# Altium PCB Main_Board.PcbDoc (part 7 of 19)
Units mil, origin at the board's own origin, x right, y up, seen from the top; angles counter-clockwise.
Board outline 5306 x 6610 mil, 12 copper layers ((L1) Top, (L2) Inner 1, (L3) Inner 2, (L4) Inner 3, (L5) Inner 4, (L6) Inner 5, (L7) Inner 6, (L8) Inner 7, (L9) Inner 8, (L10) Inner 9, (L11) Inner 10, (L12) Bottom), stack 94.81 mil thick; 347 components, 571 nets, 2611 pads, 4053 vias.
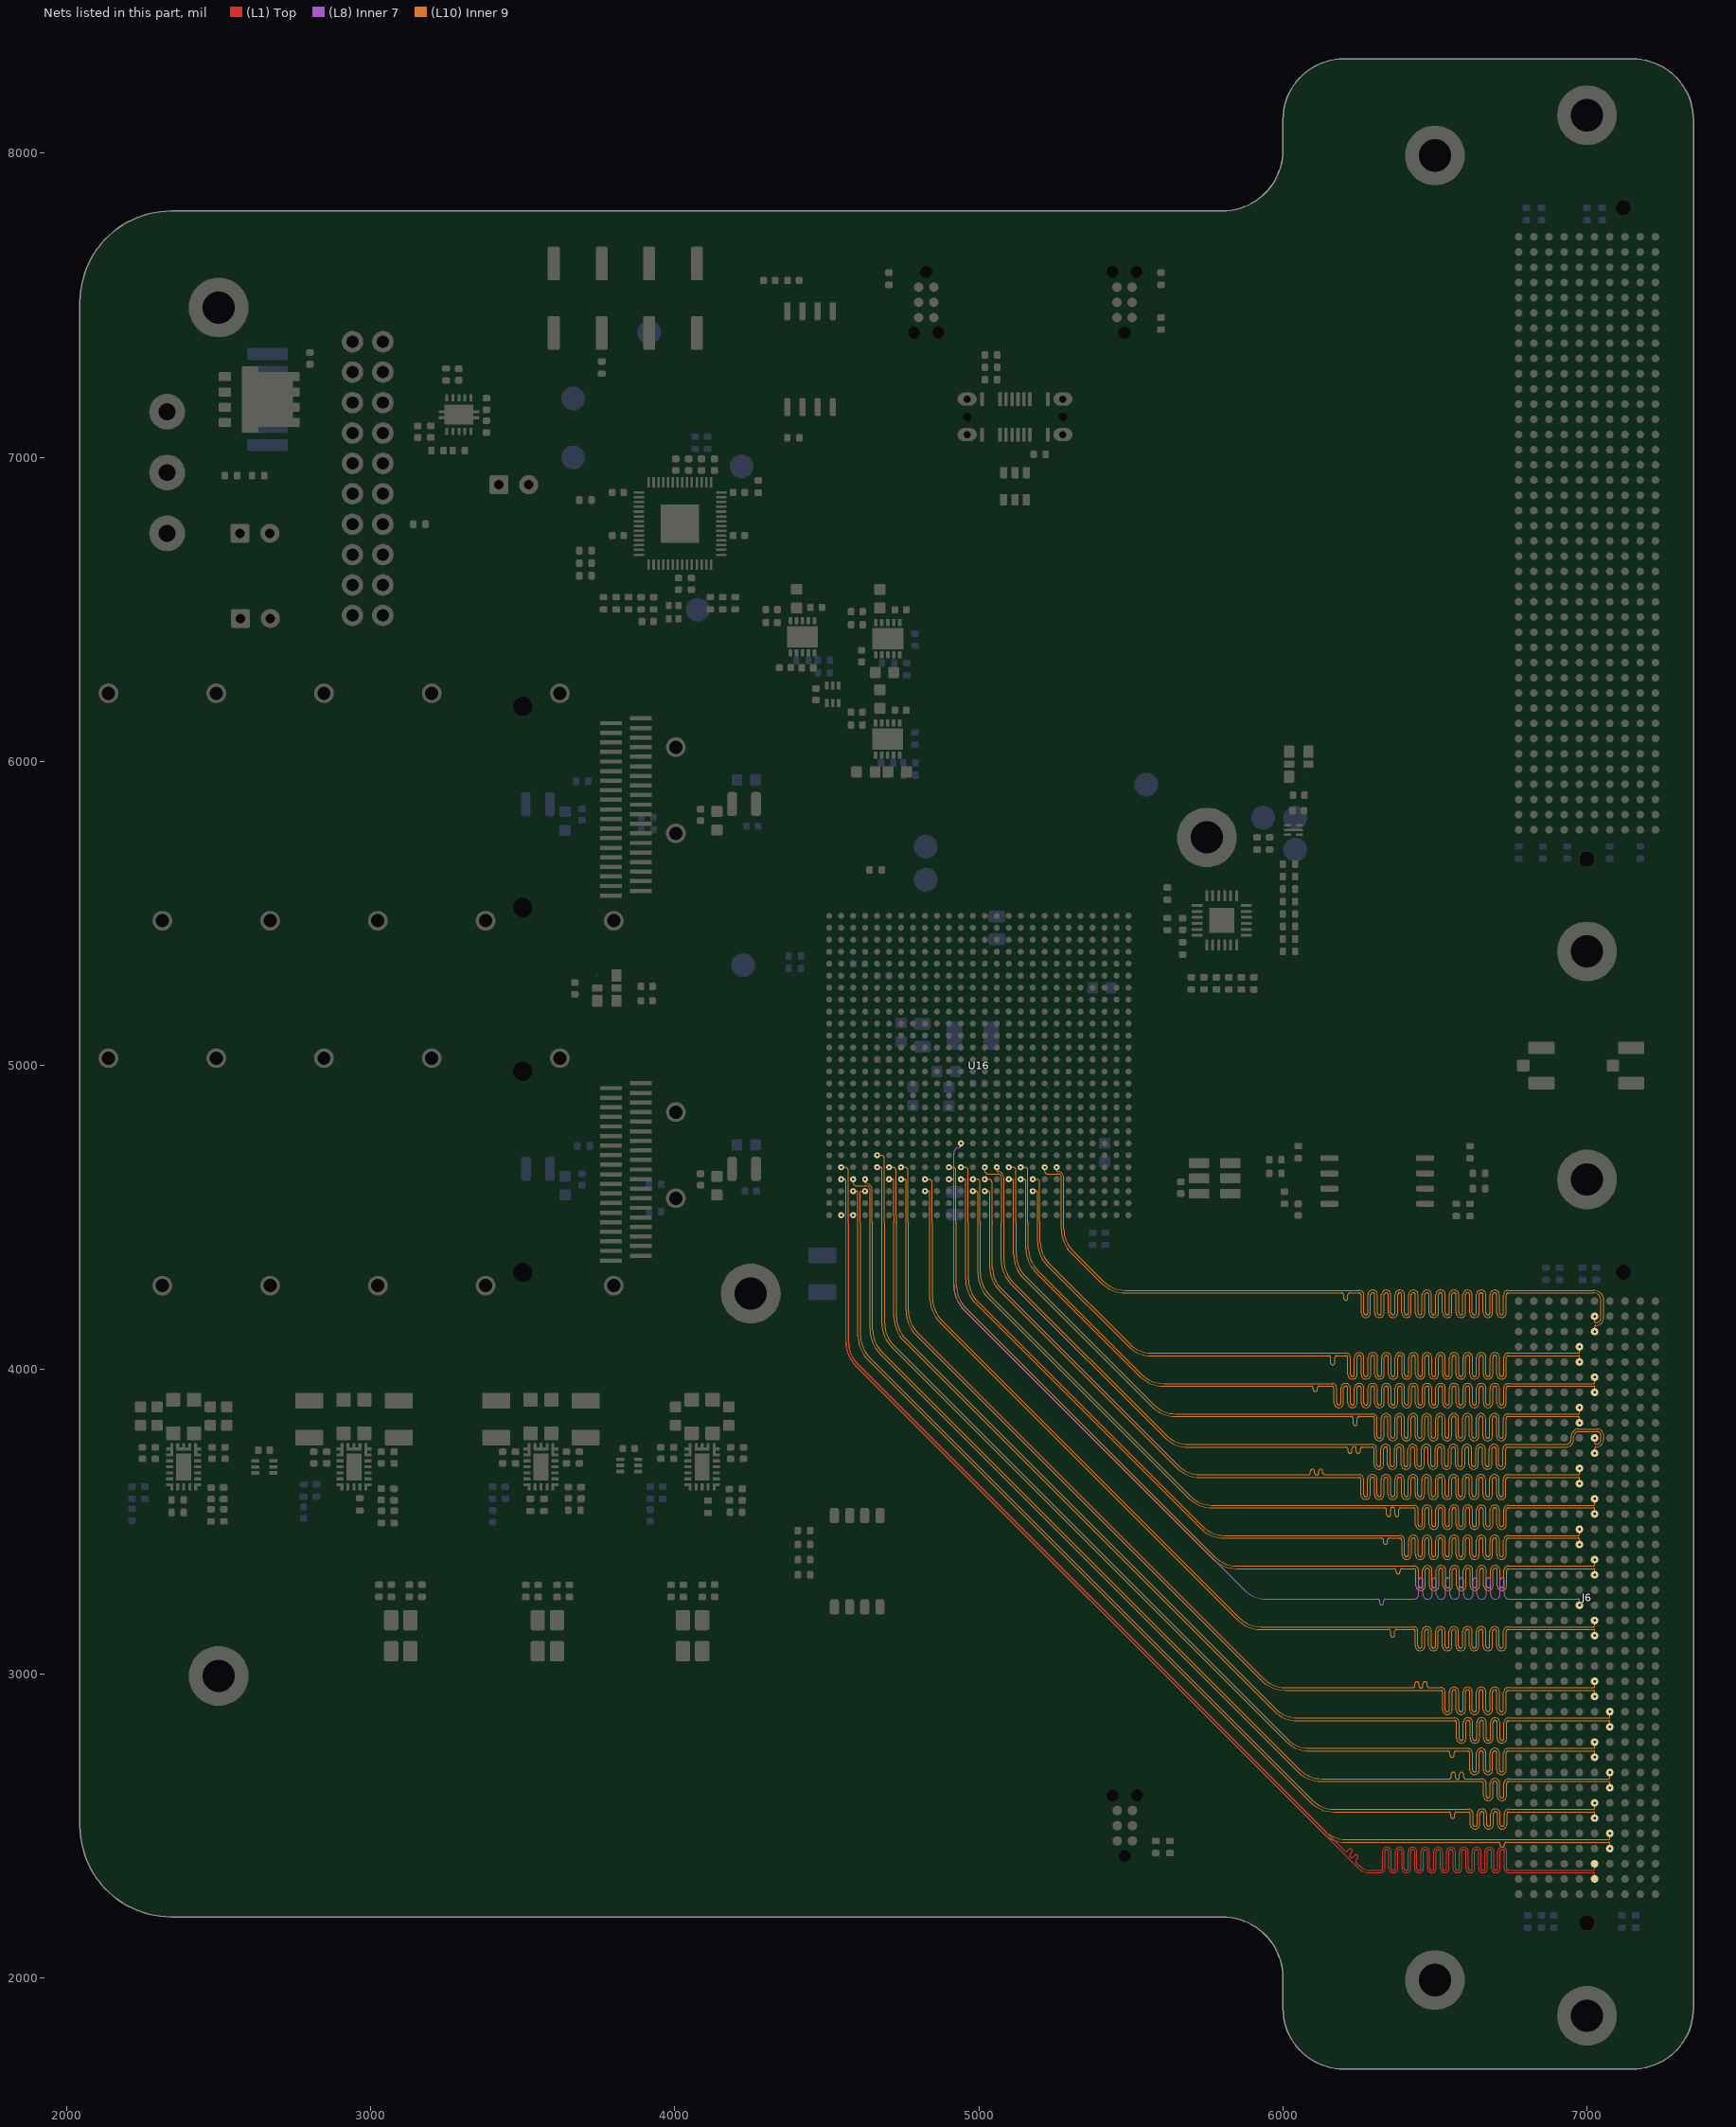
[diagram p17: the nets of this part, all layers, seen from the top]

## Via types
v1: diameter 13.78, hole 7.87, (L1) Top to (L12) Bottom, tented both sides, 4044 vias
v2: diameter 13.78, hole 7.87, (L1) Top to (L12) Bottom, tented bottom, 9 vias

## Nets (pads, with @x,y where several pads share a name; then routed paths per layer and width w, separated by ;. In a path a pad name is that pad's centre, name@x,y a point inside that pad or via, vN(x,y) a via of type N, cw(c..) or ccw(c..) an arc to the next point about the centre after c; other vN are vias at no path point) (continued)
HPCC_A_22_N: J6.D29 U16.AC6 | length 3925.8
  (L10) Inner 9 w3.5: v1(4704.72,4625.98) 4715.55,4625.98 cw(c4715.55,4620.47) 4721.06,4620.47 4721.06,4507.76 4721.06,4485.21 4721.06,4485.15 4721.06,4171.56 ccw(c4829.86,4171.56) 4752.92,4094.63 5970.09,2877.47 ccw(c6047.02,2954.4) 6047.02,2845.6 6545,2845.6 6564.12,2845.6 cw(c6564.12,2838.85) 6570.87,2838.85 6570.87,2787.37 ccw(c6586.42,2787.37) 6601.97,2787.37 6601.97,2839.58 cw(c6608.72,2839.58) 6615.47,2839.58 6615.47,2787.37 ccw(c6631.02,2787.37) 6646.57,2787.37 6646.57,2839.58 cw(c6653.32,2839.58) 6660.07,2839.58 6660.07,2787.37 ccw(c6675.62,2787.37) 6691.17,2787.37 6691.17,2839.58 cw(c6697.92,2839.58) 6704.67,2839.58 6704.67,2787.37 ccw(c6720.22,2787.37) 6735.77,2787.37 6735.77,2838.85 cw(c6742.52,2838.85) 6742.52,2845.6 6748.67,2845.6 7071.5,2845.6 cw(c7071.5,2842.1) 7073.97,2844.57 cw(c7071.5,2842.1) 7075,2842.1 v1(7075,2825)
HPCC_A_22_P: J6.D28 U16.AB6 | length 3956.3
  (L10) Inner 9 w3.5: v1(4704.72,4665.35) 4716.41,4665.35 cw(c4716.41,4653.36) 4728.41,4653.36 4728.41,4507.8 4728.41,4485.21 4728.41,4483.98 ccw(c4730.88,4483.98) 4729.13,4482.23 cw(c4727.38,4480.48) 4729.86,4480.48 4729.86,4171.56 ccw(c4829.86,4171.56) 4759.15,4100.85 5976.31,2883.69 ccw(c6047.02,2954.4) 6047.02,2854.4 6545,2854.4 6564.12,2854.4 cw(c6564.12,2838.85) 6579.67,2838.85 6579.67,2787.37 ccw(c6586.42,2787.37) 6593.17,2787.37 6593.17,2839.58 cw(c6608.72,2839.58) 6624.27,2839.58 6624.27,2787.37 ccw(c6631.02,2787.37) 6637.77,2787.37 6637.77,2839.58 cw(c6653.32,2839.58) 6668.87,2839.58 6668.87,2787.37 ccw(c6675.62,2787.37) 6682.37,2787.37 6682.37,2839.58 cw(c6697.92,2839.58) 6713.47,2839.58 6713.47,2787.37 ccw(c6720.22,2787.37) 6726.97,2787.37 6726.97,2838.85 cw(c6742.52,2838.85) 6742.52,2854.4 6748.67,2854.4 7071.5,2854.4 ccw(c7071.5,2857.9) 7073.97,2855.43 ccw(c7071.5,2857.9) 7075,2857.9 v1(7075,2875)
HPCC_A_23_N: J6.D33 U16.AC3 | length 3837.9
  (L10) Inner 9 w3.5: v1(4586.61,4625.98) 4586.61,4614.15 ccw(c4596.12,4614.15) 4596.12,4604.65 4628,4604.65 cw(c4628,4590.65) 4642,4590.65 4642,4130.62 ccw(c4750.8,4130.62) 4673.87,4053.69 6050.09,2677.47 ccw(c6127.02,2754.4) 6127.02,2645.6 6624.55,2645.6 6653,2645.6 cw(c6653,2638.85) 6659.75,2638.85 6659.75,2598.66 ccw(c6675.3,2598.66) 6690.85,2598.66 6690.85,2639.49 cw(c6697.6,2639.49) 6704.35,2639.49 6704.35,2598.66 ccw(c6719.9,2598.66) 6735.45,2598.66 6735.45,2638.85 cw(c6742.2,2638.85) 6742.2,2645.6 6784,2645.6 7071.5,2645.6 cw(c7071.5,2642.1) 7073.97,2644.57 cw(c7071.5,2642.1) 7075,2642.1 v1(7075,2625)
HPCC_A_23_P: J6.D32 U16.AC4 | length 3857.8
  (L10) Inner 9 w3.5: v1(4625.98,4625.98) 4625.98,4616.31 ccw(c4629.48,4616.32) 4629.13,4612.84 cw(c4627.06,4590.65) 4649.35,4590.65 4649.35,4483.77 ccw(c4651.83,4483.77) 4650.07,4482.02 ; 4650.08,4482.02 cw(c4648.32,4480.27) 4650.8,4480.27 4650.8,4130.62 ccw(c4750.8,4130.62) 4680.09,4059.91 6056.31,2683.69 ccw(c6127.02,2754.4) 6127.02,2654.4 6534.85,2654.4 6546.75,2654.4 ccw(c6546.75,2661.15) 6553.5,2661.15 6553.5,2669.27 cw(c6560.25,2669.27) 6567,2669.27 6567,2659.7 ccw(c6573.75,2659.7) 6580.5,2659.7 6580.5,2669.27 cw(c6587.25,2669.27) 6594,2669.27 6594,2661.15 ccw(c6600.75,2661.15) 6600.75,2654.4 6616,2654.4 6624.55,2654.4 6653,2654.4 cw(c6653,2638.85) 6668.55,2638.85 6668.55,2598.66 ccw(c6675.3,2598.66) 6682.05,2598.66 6682.05,2639.49 cw(c6697.6,2639.49) 6713.15,2639.49 6713.15,2598.66 ccw(c6719.9,2598.66) 6726.65,2598.66 6726.65,2638.85 cw(c6742.2,2638.85) 6742.2,2654.4 6784,2654.4 7071.5,2654.4 ccw(c7071.5,2657.9) 7073.97,2655.43 ccw(c7071.5,2657.9) 7075,2657.9 v1(7075,2675)
HPCC_A_24_N: J6.D37 U16.AC2 | length 3799.3
  (L10) Inner 9 w3.5: v1(4547.24,4625.98) 4556.9,4625.98 cw(c4556.9,4619.88) 4563,4619.88 4563,4089.62 ccw(c4671.8,4089.62) 4594.87,4012.69 6130.09,2477.47 ccw(c6207.02,2554.4) 6207.02,2445.6 6692.73,2445.6 6707.98,2445.6 cw(c6707.98,2438.85) 6714.73,2438.85 6714.73,2436.21 ccw(c6721.48,2436.21) 6728.23,2436.21 6728.23,2438.85 cw(c6734.98,2438.85) 6734.98,2445.6 6744.73,2445.6 7071.5,2445.6 cw(c7071.5,2442.1) 7073.97,2444.57 cw(c7071.5,2442.1) 7075,2442.1 v1(7075,2425)
HPCC_A_24_P: J6.D36 U16.AB2 | length 3810.3
  (L10) Inner 9 w3.5: v1(4547.24,4665.35) 4560.65,4665.35 cw(c4560.65,4655.65) 4570.35,4655.65 4570.35,4483.77 ccw(c4572.83,4483.77) 4571.07,4482.02 ; 4571.08,4482.02 cw(c4569.32,4480.27) 4571.8,4480.27 4571.8,4089.62 ccw(c4671.8,4089.62) 4601.09,4018.91 6136.31,2483.69 ccw(c6207.02,2554.4) 6207.02,2454.4 6670.22,2454.4 6805,2454.4 7071.5,2454.4 ccw(c7071.5,2457.9) 7073.97,2455.43 ccw(c7071.5,2457.9) 7075,2457.9 v1(7075,2475)
HPCC_A_25_N: J6.E3 U16.AB20 | length 3810.4
  (L10) Inner 9 w3.5: v1(5255.91,4665.35) 5255.91,4654.09 ccw(c5259,4654.09) 5259,4651 cw(c5259,4630.65) 5279.35,4630.65 5279.35,4462.07 ccw(c5379.35,4462.07) 5308.64,4391.36 5409.7,4290.3 ccw(c5480.41,4361.01) 5480.41,4261.01 6222.09,4261.01 6250.54,4261.01 cw(c6250.54,4245.46) 6266.09,4245.46 6266.09,4186.7 ccw(c6272.84,4186.7) 6279.59,4186.7 6279.59,4245.85 cw(c6295.14,4245.85) 6310.69,4245.85 6310.69,4186.7 ccw(c6317.44,4186.7) 6324.19,4186.7 6324.19,4245.85 cw(c6339.74,4245.85) 6355.29,4245.85 6355.29,4186.7 ccw(c6362.04,4186.7) 6368.79,4186.7 6368.79,4245.85 cw(c6384.34,4245.85) 6399.89,4245.85 6399.89,4186.7 ccw(c6406.64,4186.7) 6413.39,4186.7 6413.39,4245.85 cw(c6428.94,4245.85) 6444.49,4245.85 6444.49,4186.7 ccw(c6451.24,4186.7) 6457.99,4186.7 6457.99,4245.85 cw(c6473.54,4245.85) 6489.09,4245.85 6489.09,4186.7 ccw(c6495.84,4186.7) 6502.59,4186.7 6502.59,4245.85 cw(c6518.14,4245.85) 6533.69,4245.85 6533.69,4186.7 ccw(c6540.44,4186.7) 6547.19,4186.7 6547.19,4245.85 cw(c6562.74,4245.85) 6578.29,4245.85 6578.29,4186.7 ccw(c6585.04,4186.7) 6591.79,4186.7 6591.79,4245.85 cw(c6607.34,4245.85) 6622.89,4245.85 6622.89,4186.7 ccw(c6629.64,4186.7) 6636.39,4186.7 6636.39,4245.85 cw(c6651.94,4245.85) 6667.49,4245.85 6667.49,4186.7 ccw(c6674.24,4186.7) 6680.99,4186.7 6680.99,4245.85 cw(c6696.54,4245.85) 6712.09,4245.85 6712.09,4186.7 ccw(c6718.84,4186.7) 6725.59,4186.7 6725.59,4245.46 cw(c6741.14,4245.46) 6741.14,4261.01 6798,4261.01 7021.79,4261.01 cw(c7021.79,4228) 7054.8,4228 7054.8,4171 cw(c7029,4171) 7029,4145.2 ccw(c7029,4141.2) 7025,4141.2 v1(7025,4125)
HPCC_A_25_P: J6.E2 U16.AB19 | length 3867.5
  (L10) Inner 9 w3.5: v1(5216.54,4665.35) 5216.54,4652.49 ccw(c5225.38,4652.49) 5225.38,4643.65 5259,4643.65 cw(c5259,4630.65) 5272,4630.65 5272,4483.77 cw(c5269.52,4483.77) 5271.28,4482.02 ; 5271.27,4482.02 ccw(c5273.03,4480.27) 5270.55,4480.27 5270.55,4462.07 ccw(c5379.35,4462.07) 5302.42,4385.14 5403.48,4284.07 ccw(c5480.41,4361.01) 5480.41,4252.21 6177.46,4252.21 6193.25,4252.21 cw(c6193.25,4245.46) 6200,4245.46 6200,4234.67 ccw(c6206.75,4234.67) 6213.5,4234.67 6213.5,4245.46 cw(c6220.25,4245.46) 6220.25,4252.21 6222,4252.21 6222.09,4252.21 6250.54,4252.21 cw(c6250.54,4245.46) 6257.29,4245.46 6257.29,4186.7 ccw(c6272.84,4186.7) 6288.39,4186.7 6288.39,4245.85 cw(c6295.14,4245.85) 6301.89,4245.85 6301.89,4186.7 ccw(c6317.44,4186.7) 6332.99,4186.7 6332.99,4245.85 cw(c6339.74,4245.85) 6346.49,4245.85 6346.49,4186.7 ccw(c6362.04,4186.7) 6377.59,4186.7 6377.59,4245.85 cw(c6384.34,4245.85) 6391.09,4245.85 6391.09,4186.7 ccw(c6406.64,4186.7) 6422.19,4186.7 6422.19,4245.85 cw(c6428.94,4245.85) 6435.69,4245.85 6435.69,4186.7 ccw(c6451.24,4186.7) 6466.79,4186.7 6466.79,4245.85 cw(c6473.54,4245.85) 6480.29,4245.85 6480.29,4186.7 ccw(c6495.84,4186.7) 6511.39,4186.7 6511.39,4245.85 cw(c6518.14,4245.85) 6524.89,4245.85 6524.89,4186.7 ccw(c6540.44,4186.7) 6555.99,4186.7 6555.99,4245.85 cw(c6562.74,4245.85) 6569.49,4245.85 6569.49,4186.7 ccw(c6585.04,4186.7) 6600.59,4186.7 6600.59,4245.85 cw(c6607.34,4245.85) 6614.09,4245.85 6614.09,4186.7 ccw(c6629.64,4186.7) 6645.19,4186.7 6645.19,4245.85 cw(c6651.94,4245.85) 6658.69,4245.85 6658.69,4186.7 ccw(c6674.24,4186.7) 6689.79,4186.7 6689.79,4245.85 cw(c6696.54,4245.85) 6703.29,4245.85 6703.29,4186.7 ccw(c6718.84,4186.7) 6734.39,4186.7 6734.39,4245.46 cw(c6741.14,4245.46) 6741.14,4252.21 6798,4252.21 7021.79,4252.21 cw(c7021.79,4228) 7046,4228 7046,4171 cw(c7029,4171) 7029,4154 cw(c7029,4158) 7025,4158 v1(7025,4175)
HPCC_A_26_N: J6.E7 U16.AC17 | length 3951
  (L10) Inner 9 w3.5: v1(5137.8,4625.98) 5149.08,4625.98 cw(c5149.08,4621.07) 5154,4621.07 5154,4398.62 ccw(c5262.8,4398.62) 5185.87,4321.69 5530.09,3977.47 ccw(c5607.02,4054.4) 5607.02,3945.6 6077.34,3945.6 6092.59,3945.6 cw(c6092.59,3938.85) 6099.34,3938.85 6099.34,3934.72 ccw(c6106.09,3934.72) 6112.84,3934.72 6112.84,3938.85 cw(c6119.59,3938.85) 6119.59,3945.6 6130,3945.6 6133.06,3945.6 6161.51,3945.6 cw(c6161.51,3938.85) 6168.26,3938.85 6168.26,3890.4 ccw(c6183.81,3890.4) 6199.36,3890.4 6199.36,3938.86 cw(c6206.11,3938.86) 6212.86,3938.86 6212.86,3890.4 ccw(c6228.41,3890.4) 6243.96,3890.4 6243.96,3938.86 cw(c6250.71,3938.86) 6257.46,3938.86 6257.46,3890.4 ccw(c6273.01,3890.4) 6288.56,3890.4 6288.56,3938.86 cw(c6295.31,3938.86) 6302.06,3938.86 6302.06,3890.4 ccw(c6317.61,3890.4) 6333.16,3890.4 6333.16,3938.86 cw(c6339.91,3938.86) 6346.66,3938.86 6346.66,3890.4 ccw(c6362.21,3890.4) 6377.76,3890.4 6377.76,3938.86 cw(c6384.51,3938.86) 6391.26,3938.86 6391.26,3890.4 ccw(c6406.81,3890.4) 6422.36,3890.4 6422.36,3938.86 cw(c6429.11,3938.86) 6435.86,3938.86 6435.86,3890.4 ccw(c6451.41,3890.4) 6466.96,3890.4 6466.96,3938.86 cw(c6473.71,3938.86) 6480.46,3938.86 6480.46,3890.4 ccw(c6496.01,3890.4) 6511.56,3890.4 6511.56,3938.86 cw(c6518.31,3938.86) 6525.06,3938.86 6525.06,3890.4 ccw(c6540.61,3890.4) 6556.16,3890.4 6556.16,3938.86 cw(c6562.91,3938.86) 6569.66,3938.86 6569.66,3890.4 ccw(c6585.21,3890.4) 6600.76,3890.4 6600.76,3938.86 cw(c6607.51,3938.86) 6614.26,3938.86 6614.26,3890.4 ccw(c6629.81,3890.4) 6645.36,3890.4 6645.36,3938.86 cw(c6652.11,3938.86) 6658.86,3938.86 6658.86,3890.4 ccw(c6674.41,3890.4) 6689.96,3890.4 6689.96,3938.86 cw(c6696.71,3938.86) 6703.46,3938.86 6703.46,3890.4 ccw(c6719.01,3890.4) 6734.56,3890.4 6734.56,3938.85 cw(c6741.31,3938.85) 6741.31,3945.6 6812,3945.6 7021.5,3945.6 cw(c7021.5,3942.1) 7023.97,3944.57 cw(c7021.5,3942.1) 7025,3942.1 v1(7025,3925)
HPCC_A_26_P: J6.E6 U16.AB17 | length 3958.3
  (L10) Inner 9 w3.5: v1(5137.8,4665.35) 5150.92,4665.35 cw(c5150.92,4654.92) 5161.35,4654.92 5161.35,4483.77 ccw(c5163.83,4483.77) 5162.07,4482.02 ; 5162.08,4482.02 cw(c5160.32,4480.27) 5162.8,4480.27 5162.8,4398.62 ccw(c5262.8,4398.62) 5192.09,4327.91 5536.31,3983.69 ccw(c5607.02,4054.4) 5607.02,3954.4 6133.06,3954.4 6161.51,3954.4 cw(c6161.51,3938.85) 6177.06,3938.85 6177.06,3890.4 ccw(c6183.81,3890.4) 6190.56,3890.4 6190.56,3938.86 cw(c6206.11,3938.86) 6221.66,3938.86 6221.66,3890.4 ccw(c6228.41,3890.4) 6235.16,3890.4 6235.16,3938.86 cw(c6250.71,3938.86) 6266.26,3938.86 6266.26,3890.4 ccw(c6273.01,3890.4) 6279.76,3890.4 6279.76,3938.86 cw(c6295.31,3938.86) 6310.86,3938.86 6310.86,3890.4 ccw(c6317.61,3890.4) 6324.36,3890.4 6324.36,3938.86 cw(c6339.91,3938.86) 6355.46,3938.86 6355.46,3890.4 ccw(c6362.21,3890.4) 6368.96,3890.4 6368.96,3938.86 cw(c6384.51,3938.86) 6400.06,3938.86 6400.06,3890.4 ccw(c6406.81,3890.4) 6413.56,3890.4 6413.56,3938.86 cw(c6429.11,3938.86) 6444.66,3938.86 6444.66,3890.4 ccw(c6451.41,3890.4) 6458.16,3890.4 6458.16,3938.86 cw(c6473.71,3938.86) 6489.26,3938.86 6489.26,3890.4 ccw(c6496.01,3890.4) 6502.76,3890.4 6502.76,3938.86 cw(c6518.31,3938.86) 6533.86,3938.86 6533.86,3890.4 ccw(c6540.61,3890.4) 6547.36,3890.4 6547.36,3938.86 cw(c6562.91,3938.86) 6578.46,3938.86 6578.46,3890.4 ccw(c6585.21,3890.4) 6591.96,3890.4 6591.96,3938.86 cw(c6607.51,3938.86) 6623.06,3938.86 6623.06,3890.4 ccw(c6629.81,3890.4) 6636.56,3890.4 6636.56,3938.86 cw(c6652.11,3938.86) 6667.66,3938.86 6667.66,3890.4 ccw(c6674.41,3890.4) 6681.16,3890.4 6681.16,3938.86 cw(c6696.71,3938.86) 6712.26,3938.86 6712.26,3890.4 ccw(c6719.01,3890.4) 6725.76,3890.4 6725.76,3938.85 cw(c6741.31,3938.85) 6741.31,3954.4 6812,3954.4 7021.5,3954.4 ccw(c7021.5,3957.9) 7023.97,3955.43 ccw(c7021.5,3957.9) 7025,3957.9 v1(7025,3975)
HPCC_A_27_N: J6.E11 U16.AB15 | length 3945.8
  (L10) Inner 9 w3.5: v1(5059.06,4665.35) 5059.06,4653.94 ccw(c5062,4653.94) 5062,4651 cw(c5062,4630.65) 5082.35,4630.65 5082.35,4359.07 ccw(c5182.35,4359.07) 5111.64,4288.36 5616.71,3783.29 ccw(c5687.42,3854) 5687.42,3754 6264.52,3754 6292.97,3754 cw(c6292.97,3738.45) 6308.52,3738.45 6308.52,3687.97 ccw(c6315.27,3687.97) 6322.02,3687.97 6322.02,3738.62 cw(c6337.57,3738.62) 6353.12,3738.62 6353.12,3687.97 ccw(c6359.87,3687.97) 6366.62,3687.97 6366.62,3738.62 cw(c6382.17,3738.62) 6397.72,3738.62 6397.72,3687.97 ccw(c6404.47,3687.97) 6411.22,3687.97 6411.22,3738.62 cw(c6426.77,3738.62) 6442.32,3738.62 6442.32,3687.97 ccw(c6449.07,3687.97) 6455.82,3687.97 6455.82,3738.62 cw(c6471.37,3738.62) 6486.92,3738.62 6486.92,3687.97 ccw(c6493.67,3687.97) 6500.42,3687.97 6500.42,3738.62 cw(c6515.97,3738.62) 6531.52,3738.62 6531.52,3687.97 ccw(c6538.27,3687.97) 6545.02,3687.97 6545.02,3738.62 cw(c6560.57,3738.62) 6576.12,3738.62 6576.12,3687.97 ccw(c6582.87,3687.97) 6589.62,3687.97 6589.62,3738.62 cw(c6605.17,3738.62) 6620.72,3738.62 6620.72,3687.97 ccw(c6627.47,3687.97) 6634.22,3687.97 6634.22,3738.62 cw(c6649.77,3738.62) 6665.32,3738.62 6665.32,3687.97 ccw(c6672.07,3687.97) 6678.82,3687.97 6678.82,3738.62 cw(c6694.37,3738.62) 6709.92,3738.62 6709.92,3687.97 ccw(c6716.67,3687.97) 6723.42,3687.97 6723.42,3738.45 cw(c6738.97,3738.45) 6738.97,3754 6800,3754 6931,3754 ccw(c6931,3770) 6947,3770 6947,3778.8 cw(c6973,3778.8) 6973,3804.8 7033,3804.8 cw(c7033,3783) 7054.8,3783 7054.8,3770 cw(c7030,3770) 7030,3745.2 ccw(c7030,3740.2) 7025,3740.2 v1(7025,3725)
HPCC_A_27_P: J6.E10 U16.AB14 | length 4026.9
  (L10) Inner 9 w3.5: v1(5019.69,4665.35) 5019.69,4652.98 ccw(c5029.02,4652.98) 5029.02,4643.65 5062,4643.65 cw(c5062,4630.65) 5075,4630.65 5075,4483.77 cw(c5072.52,4483.77) 5074.28,4482.02 ; 5074.27,4482.02 ccw(c5076.03,4480.27) 5073.55,4480.27 5073.55,4359.07 ccw(c5182.35,4359.07) 5105.42,4282.14 5610.49,3777.07 ccw(c5687.42,3854) 5687.42,3745.2 6196.9,3745.2 6207.25,3745.2 cw(c6207.25,3738.45) 6214,3738.45 6214,3731.53 ccw(c6220.75,3731.53) 6227.5,3731.53 6227.5,3739.9 cw(c6234.25,3739.9) 6241,3739.9 6241,3731.53 ccw(c6247.75,3731.53) 6254.5,3731.53 6254.5,3738.45 cw(c6261.25,3738.45) 6261.25,3745.2 6263,3745.2 6264.52,3745.2 6292.97,3745.2 cw(c6292.97,3738.45) 6299.72,3738.45 6299.72,3687.97 ccw(c6315.27,3687.97) 6330.82,3687.97 6330.82,3738.62 cw(c6337.57,3738.62) 6344.32,3738.62 6344.32,3687.97 ccw(c6359.87,3687.97) 6375.42,3687.97 6375.42,3738.62 cw(c6382.17,3738.62) 6388.92,3738.62 6388.92,3687.97 ccw(c6404.47,3687.97) 6420.02,3687.97 6420.02,3738.62 cw(c6426.77,3738.62) 6433.52,3738.62 6433.52,3687.97 ccw(c6449.07,3687.97) 6464.62,3687.97 6464.62,3738.62 cw(c6471.37,3738.62) 6478.12,3738.62 6478.12,3687.97 ccw(c6493.67,3687.97) 6509.22,3687.97 6509.22,3738.62 cw(c6515.97,3738.62) 6522.72,3738.62 6522.72,3687.97 ccw(c6538.27,3687.97) 6553.82,3687.97 6553.82,3738.62 cw(c6560.57,3738.62) 6567.32,3738.62 6567.32,3687.97 ccw(c6582.87,3687.97) 6598.42,3687.97 6598.42,3738.62 cw(c6605.17,3738.62) 6611.92,3738.62 6611.92,3687.97 ccw(c6627.47,3687.97) 6643.02,3687.97 6643.02,3738.62 cw(c6649.77,3738.62) 6656.52,3738.62 6656.52,3687.97 ccw(c6672.07,3687.97) 6687.62,3687.97 6687.62,3738.62 cw(c6694.37,3738.62) 6701.12,3738.62 6701.12,3687.97 ccw(c6716.67,3687.97) 6732.22,3687.97 6732.22,3738.45 cw(c6738.97,3738.45) 6738.97,3745.2 6800,3745.2 6931,3745.2 ccw(c6931,3770) 6955.8,3770 6955.8,3778.8 cw(c6973,3778.8) 6973,3796 7033,3796 cw(c7033,3783) 7046,3783 7046,3770 cw(c7030,3770) 7030,3754 cw(c7030,3759) 7025,3759 v1(7025,3775)
HPCC_A_28_N: J6.E15 U16.AD13 | length 3619.3
  (L10) Inner 9 w3.5: v1(4980.31,4586.61) 4991.62,4586.61 cw(c4991.62,4581.63) 4996.61,4581.63 4996.61,4316.01 ccw(c5105.41,4316.01) 5028.47,4239.08 5690.09,3577.47 ccw(c5767.02,3654.4) 5767.02,3545.6 6319,3545.6 6334.25,3545.6 cw(c6334.25,3538.85) 6341,3538.85 6341,3523.5 ccw(c6347.75,3523.5) 6354.5,3523.5 6354.5,3540.3 cw(c6361.25,3540.3) 6368,3540.3 6368,3523.5 ccw(c6374.75,3523.5) 6381.5,3523.5 6381.5,3538.85 cw(c6388.25,3538.85) 6388.25,3545.6 6398,3545.6 6400.93,3545.6 6429.38,3545.6 cw(c6429.38,3538.85) 6436.13,3538.85 6436.13,3490.48 ccw(c6451.68,3490.48) 6467.23,3490.48 6467.23,3538.89 cw(c6473.98,3538.89) 6480.73,3538.89 6480.73,3490.48 ccw(c6496.28,3490.48) 6511.83,3490.48 6511.83,3538.89 cw(c6518.58,3538.89) 6525.33,3538.89 6525.33,3490.48 ccw(c6540.88,3490.48) 6556.43,3490.48 6556.43,3538.89 cw(c6563.18,3538.89) 6569.93,3538.89 6569.93,3490.48 ccw(c6585.48,3490.48) 6601.03,3490.48 6601.03,3538.89 cw(c6607.78,3538.89) 6614.53,3538.89 6614.53,3490.48 ccw(c6630.08,3490.48) 6645.63,3490.48 6645.63,3538.89 cw(c6652.38,3538.89) 6659.13,3538.89 6659.13,3490.48 ccw(c6674.68,3490.48) 6690.23,3490.48 6690.23,3538.89 cw(c6696.98,3538.89) 6703.73,3538.89 6703.73,3490.48 ccw(c6719.28,3490.48) 6734.83,3490.48 6734.83,3538.85 cw(c6741.58,3538.85) 6741.58,3545.6 6785,3545.6 7021.5,3545.6 cw(c7021.5,3542.1) 7023.97,3544.57 cw(c7021.5,3542.1) 7025,3542.1 v1(7025,3525)
HPCC_A_28_P: J6.E14 U16.AC13 | length 3555.2
  (L10) Inner 9 w3.5: v1(4980.31,4625.98) 4993.66,4625.98 cw(c4993.66,4615.69) 5003.96,4615.69 5003.96,4483.77 ccw(c5006.43,4483.77) 5004.68,4482.02 cw(c5002.93,4480.27) 5005.41,4480.27 5005.41,4316.01 ccw(c5105.41,4316.01) 5034.7,4245.3 5696.31,3583.69 ccw(c5767.02,3654.4) 5767.02,3554.4 6400.93,3554.4 6429.38,3554.4 cw(c6429.38,3538.85) 6444.93,3538.85 6444.93,3490.48 ccw(c6451.68,3490.48) 6458.43,3490.48 6458.43,3538.89 cw(c6473.98,3538.89) 6489.53,3538.89 6489.53,3490.48 ccw(c6496.28,3490.48) 6503.03,3490.48 6503.03,3538.89 cw(c6518.58,3538.89) 6534.13,3538.89 6534.13,3490.48 ccw(c6540.88,3490.48) 6547.63,3490.48 6547.63,3538.89 cw(c6563.18,3538.89) 6578.73,3538.89 6578.73,3490.48 ccw(c6585.48,3490.48) 6592.23,3490.48 6592.23,3538.89 cw(c6607.78,3538.89) 6623.33,3538.89 6623.33,3490.48 ccw(c6630.08,3490.48) 6636.83,3490.48 6636.83,3538.89 cw(c6652.38,3538.89) 6667.93,3538.89 6667.93,3490.48 ccw(c6674.68,3490.48) 6681.43,3490.48 6681.43,3538.89 cw(c6696.98,3538.89) 6712.53,3538.89 6712.53,3490.48 ccw(c6719.28,3490.48) 6726.03,3490.48 6726.03,3538.85 cw(c6741.58,3538.85) 6741.58,3554.4 6785,3554.4 7021.5,3554.4 ccw(c7021.5,3557.9) 7023.97,3555.43 ccw(c7021.5,3557.9) 7025,3557.9 v1(7025,3575)
HPCC_A_29_N: J6.E19 U16.AC11 | length 3797.7
  (L10) Inner 9 w3.5: v1(4901.57,4625.98) 4913.01,4625.98 cw(c4913.01,4621.46) 4917.54,4621.46 4917.54,4275.09 ccw(c5026.34,4275.09) 4949.4,4198.15 5770.09,3377.47 ccw(c5847.02,3454.4) 5847.02,3345.6 6350.09,3345.6 6365.34,3345.6 cw(c6365.34,3338.85) 6372.09,3338.85 6372.09,3335.33 ccw(c6378.84,3335.33) 6385.59,3335.33 6385.59,3338.85 cw(c6392.34,3338.85) 6392.34,3345.6 6402,3345.6 6430.45,3345.6 cw(c6430.45,3338.85) 6437.2,3338.85 6437.2,3289.35 ccw(c6452.75,3289.35) 6468.3,3289.35 6468.3,3339.73 cw(c6475.05,3339.73) 6481.8,3339.73 6481.8,3289.35 ccw(c6497.35,3289.35) 6512.9,3289.35 6512.9,3339.73 cw(c6519.65,3339.73) 6526.4,3339.73 6526.4,3289.35 ccw(c6541.95,3289.35) 6557.5,3289.35 6557.5,3339.73 cw(c6564.25,3339.73) 6571,3339.73 6571,3289.35 ccw(c6586.55,3289.35) 6602.1,3289.35 6602.1,3339.73 cw(c6608.85,3339.73) 6615.6,3339.73 6615.6,3289.35 ccw(c6631.15,3289.35) 6646.7,3289.35 6646.7,3339.73 cw(c6653.45,3339.73) 6660.2,3339.73 6660.2,3289.35 ccw(c6675.75,3289.35) 6691.3,3289.35 6691.3,3339.73 cw(c6698.05,3339.73) 6704.8,3339.73 6704.8,3289.35 ccw(c6720.35,3289.35) 6735.9,3289.35 6735.9,3338.85 cw(c6742.65,3338.85) 6742.65,3345.6 6803,3345.6 7021.5,3345.6 cw(c7021.5,3342.1) 7023.97,3344.57 cw(c7021.5,3342.1) 7025,3342.1 v1(7025,3325)